# KiCad board Pico Debugger.kicad_pcb (continued)
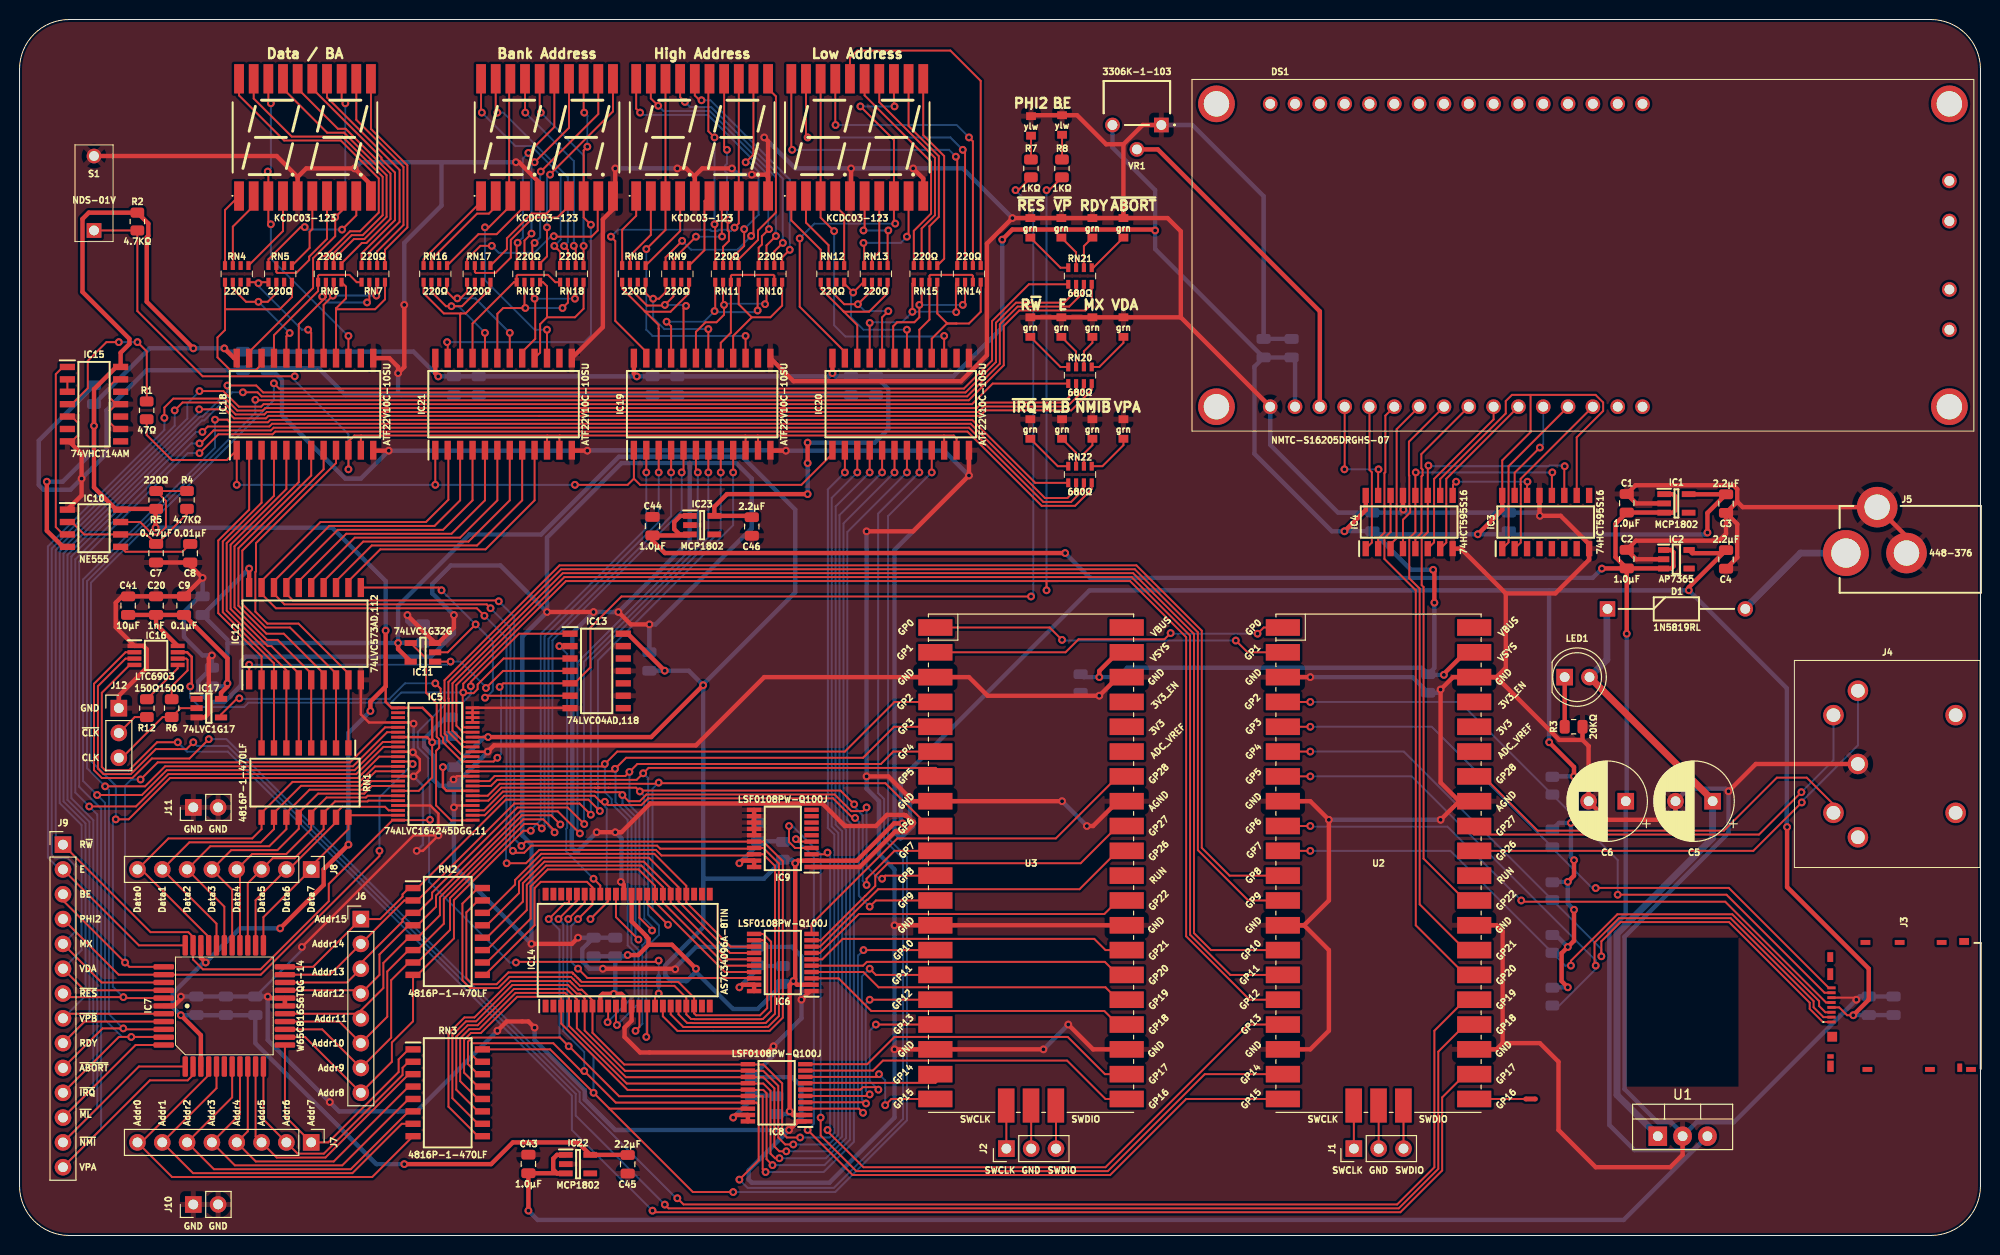
[diagram p0: board, top side]
## Footprints (pads in the part's own frame, mm; a bottom-side part is the same pattern mirrored in y, then rotated) (continued)
SOIC127P1032X265-24N
  rect 1.925x0.65 smd: 1(-4.712,6.985) 2(-4.712,5.715) 3(-4.712,4.445) 4(-4.712,3.175) 5(-4.712,1.905) 6(-4.712,0.635) 7(-4.712,-0.635) 8(-4.712,-1.905) 9(-4.712,-3.175) 10(-4.712,-4.445) 11(-4.712,-5.715) 12(-4.712,-6.985) 13(4.712,-6.985) 14(4.712,-5.715) 15(4.712,-4.445) 16(4.712,-3.175) 17(4.712,-1.905) 18(4.712,-0.635) 19(4.712,0.635) 20(4.712,1.905) 21(4.712,3.175) 22(4.712,4.445) 23(4.712,5.715) 24(4.712,6.985)
SOP50P810X120-48N
  rect 1.425x0.3 smd: 1(-3.812,5.75) 2(-3.812,5.25) 3(-3.812,4.75) 4(-3.812,4.25) 5(-3.812,3.75) 6(-3.812,3.25) 7(-3.812,2.75) 8(-3.812,2.25) 9(-3.812,1.75) 10(-3.812,1.25) 11(-3.812,0.75) 12(-3.812,0.25) 13(-3.812,-0.25) 14(-3.812,-0.75) 15(-3.812,-1.25) 16(-3.812,-1.75) 17(-3.812,-2.25) 18(-3.812,-2.75) 19(-3.812,-3.25) 20(-3.812,-3.75) 21(-3.812,-4.25) 22(-3.812,-4.75) 23(-3.812,-5.25) 24(-3.812,-5.75) 25(3.812,-5.75) 26(3.812,-5.25) 27(3.812,-4.75) 28(3.812,-4.25) 29(3.812,-3.75) 30(3.812,-3.25) 31(3.812,-2.75) 32(3.812,-2.25) 33(3.812,-1.75) 34(3.812,-1.25) 35(3.812,-0.75) 36(3.812,-0.25) 37(3.812,0.25) 38(3.812,0.75) 39(3.812,1.25) 40(3.812,1.75) 41(3.812,2.25) 42(3.812,2.75) 43(3.812,3.25) 44(3.812,3.75) 45(3.812,4.25) 46(3.812,4.75) 47(3.812,5.25) 48(3.812,5.75)
SOP65P490X110-8N
  rect 1.425x0.45 smd: 1(-2.212,0.975) 2(-2.212,0.325) 3(-2.212,-0.325) 4(-2.212,-0.975) 5(2.212,-0.975) 6(2.212,-0.325) 7(2.212,0.325) 8(2.212,0.975)
SOP65P640X110-20N
  rect 1.475x0.45 smd: 1(-2.938,2.925) 2(-2.938,2.275) 3(-2.938,1.625) 4(-2.938,0.975) 5(-2.938,0.325) 6(-2.938,-0.325) 7(-2.938,-0.975) 8(-2.938,-1.625) 9(-2.938,-2.275) 10(-2.938,-2.925) 11(2.938,-2.925) 12(2.938,-2.275) 13(2.938,-1.625) 14(2.938,-0.975) 15(2.938,-0.325) 16(2.938,0.325) 17(2.938,0.975) 18(2.938,1.625) 19(2.938,2.275) 20(2.938,2.925)
SOP80P1176X120-44N
  rect 1.295x0.6 smd: 1(-5.728,8.4) 2(-5.728,7.6) 3(-5.728,6.8) 4(-5.728,6) 5(-5.728,5.2) 6(-5.728,4.4) 7(-5.728,3.6) 8(-5.728,2.8) 9(-5.728,2) 10(-5.728,1.2) 11(-5.728,0.4) 12(-5.728,-0.4) 13(-5.728,-1.2) 14(-5.728,-2) 15(-5.728,-2.8) 16(-5.728,-3.6) 17(-5.728,-4.4) 18(-5.728,-5.2) 19(-5.728,-6) 20(-5.728,-6.8) 21(-5.728,-7.6) 22(-5.728,-8.4) 23(5.728,-8.4) 24(5.728,-7.6) 25(5.728,-6.8) 26(5.728,-6) 27(5.728,-5.2) 28(5.728,-4.4) 29(5.728,-3.6) 30(5.728,-2.8) 31(5.728,-2) 32(5.728,-1.2) 33(5.728,-0.4) 34(5.728,0.4) 35(5.728,1.2) 36(5.728,2) 37(5.728,2.8) 38(5.728,3.6) 39(5.728,4.4) 40(5.728,5.2) 41(5.728,6) 42(5.728,6.8) 43(5.728,7.6) 44(5.728,8.4)
SOT95P270X145-5N
  rect 1.4x0.6 smd: 1(-1.25,0.95) 2(-1.25,0) 3(-1.25,-0.95) 4(1.25,-0.95) 5(1.25,0.95)
SOT95P275X110-5N
  rect 1.25x0.6 smd: 1(-1.25,0.95) 2(-1.25,0) 3(-1.25,-0.95) 4(1.25,-0.95) 5(1.25,0.95)
SOT95P285X130-5N
  rect 1.15x0.6 smd: 1(-1.3,0.95) 2(-1.3,0) 3(-1.3,-0.95) 4(1.3,-0.95) 5(1.3,0.95)
TO-220-3_Vertical
  rect 1.905x2 hole 1: 1(0,0)
  oval 1.905x2 hole 1: 2(2.54,0) 3(5.08,0)
W65C816 PLCC 0.8mm 44 Pin
  rrect 0.55x2.1 smd: 1(0,6.2) 2(-0.8,6.2) 3(-1.6,6.2) 4(-2.4,6.2) 5(-3.2,6.2) 6(-4,6.2) 18(-4,-6.2) 19(-3.2,-6.2) 20(-2.4,-6.2) 21(-1.6,-6.2) 22(-0.8,-6.2) 23(0,-6.2) 24(0.8,-6.2) 25(1.6,-6.2) 26(2.4,-6.2) 27(3.2,-6.2) 28(4,-6.2) 40(4,6.2) 41(3.2,6.2) 42(2.4,6.2) 43(1.6,6.2) 44(0.8,6.2)
  rrect 2.1x0.55 smd: 7(-6.2,4) 8(-6.2,3.2) 9(-6.2,2.4) 10(-6.2,1.6) 11(-6.2,0.8) 12(-6.2,0) 13(-6.2,-0.8) 14(-6.2,-1.6) 15(-6.2,-2.4) 16(-6.2,-3.2) 17(-6.2,-4) 29(6.2,-4) 30(6.2,-3.2) 31(6.2,-2.4) 32(6.2,-1.6) 33(6.2,-0.8) 34(6.2,0) 35(6.2,0.8) 36(6.2,1.6) 37(6.2,2.4) 38(6.2,3.2) 39(6.2,4)

## Nets
/3.3V: C4.1 C9.1 C10.1 C13.1 C15.1 C16.1 C18.1 C19.1 C20.1 C21.1 C25.1 C30.1 C41.1 IC2.5 IC5.31 IC5.42 IC6.2 IC8.2 IC9.2 IC11.5 IC12.20 IC13.14 IC14.8 IC14.11 IC14.33 IC16.8 IC17.5 J3.4 R9.1 R10.1 R11.1 R13.2 R14.2 R15.2 R16.2 R17.2
/5V: C3.1 C11.1 C12.1 C14.1 C17.1 C22.1 C23.1 C24.1 C26.1 C27.1 C28.1 C29.1 C31.1 C32.1 C33.1 C34.1 C35.1 C36.1 C37.1 C42.1 C45.1 C46.1 DS1.2 IC1.5 IC3.10 IC3.16 IC4.10 IC4.16 IC5.1 IC5.7 IC5.18 IC7.9 IC7.37 IC10.4 IC10.8 IC15.14 IC18.24 IC19.24 IC20.24 IC21.24 IC22.5 IC23.5 R2.2 R5.2 U2.39 U3.39 VR1.3
/5V Source: J4.3
/6V Source: C1.1 C2.1 C6.1 C43.1 C44.1 IC1.1 IC1.3 IC2.1 IC2.3 IC22.1 IC22.3 IC23.1 IC23.3 U1.3
/12V Forward: C5.1 D1.1 LED1.2 U1.1
/GND: C1.2 C2.2 C3.2 C4.2 C5.2 C6.2 C7.2 C8.2 C9.2 C10.2 C11.2 C12.2 C13.2 C14.2 C15.2 C16.2 C17.2 C18.2 C19.2 C20.2 C21.2 C22.2 C23.2 C24.2 C25.2 C26.2 C27.2 C28.2 C29.2 C30.2 C31.2 C32.2 C33.2 C34.2 C35.2 C36.2 C37.2 C38.2 C39.2 C40.2 C41.2 C42.2 C43.2 C44.2 C45.2 C46.2 DS1.1 DS2.5 DS2.10 DS3.5 DS3.10 DS4.5 DS4.10 DS5.5 DS5.10 IC1.2 IC2.2 IC3.8 IC3.13 IC4.8 IC4.13 IC5.4 IC5.10 IC5.15 IC5.21 IC5.28 IC5.34 IC5.39 IC5.45 IC5.46 IC5.47 IC5.48 IC6.1 IC7.1 IC7.23 IC7.24 IC8.1 IC9.1 IC9.11 IC9.12 IC9.13 IC9.14 IC9.15 IC10.1 IC11.3 IC12.10 IC13.7 IC13.9 IC13.11 IC13.13 IC14.12 IC14.34 IC15.5 IC15.7 IC15.9 IC15.11 IC15.13 IC16.1 IC17.3 IC18.12 IC18.13 IC19.12 IC19.13 IC20.12 IC20.13 IC21.12 IC21.13 IC22.2 IC23.2 J3.6 J4.2 J5.B1 J5.C1 J10.1 J10.2 J11.1 J11.2 J12.1 LED2.1 LED3.1 LED4.1 LED5.1 LED6.1 LED7.1 LED8.1 LED9.1 LED10.1 LED11.1 LED12.1 LED13.1 LED14.1 LED15.1 R3.1 S1.2 U1.2 U2.3 U2.8 U2.13 U2.18 U2.23 U2.28 U2.33 U2.38 U3.3 U3.8 U3.13 U3.18 U3.23 U3.28 U3.33 U3.38 VR1.1
/300Hz: IC18.1 IC19.1 IC20.1 IC21.1 R1.1
/Addr0: IC8.11 IC14.7 IC20.2 RN3.9
/Addr0_{Pico}: IC8.10 U3.22
/Addr0_{W65}: IC7.10 J7.8 RN3.8
/Addr1: IC8.12 IC14.6 IC20.3 RN3.10
/Addr1_{Pico}: IC8.9 U3.21
/Addr1_{W65}: IC7.11 J7.7 RN3.7
/Addr2: IC8.13 IC14.5 IC20.4 RN3.11
/Addr2_{Pico}: IC8.8 U3.20
/Addr2_{W65}: IC7.13 J7.6 RN3.6
/Addr3: IC8.14 IC14.4 IC20.5 RN3.12
/Addr3_{Pico}: IC8.7 U3.19
/Addr3_{W65}: IC7.14 J7.5 RN3.5
/Addr4: IC8.15 IC14.3 IC20.6 RN3.13
/Addr4_{Pico}: IC8.6 U3.17
/Addr4_{W65}: IC7.15 J7.4 RN3.4
/Addr5: IC8.16 IC14.41 IC20.7 RN3.14
/Addr5_{Pico}: IC8.5 U3.16
/Addr5_{W65}: IC7.16 J7.3 RN3.3
/Addr6: IC8.17 IC14.40 IC20.8 RN3.15
/Addr6_{Pico}: IC8.4 U3.15
/Addr6_{W65}: IC7.17 J7.2 RN3.2
/Addr7: IC8.18 IC14.39 IC20.9 RN3.16
/Addr7_{Pico}: IC8.3 U3.14
/Addr7_{W65}: IC7.18 J7.1 RN3.1
/Addr8: IC6.18 IC14.38 RN2.9
/Addr8_{Pico}: IC6.3 U3.24
/Addr8_{W65}: IC7.19 IC19.2 J6.8 RN2.8
/Addr9: IC6.17 IC14.30 RN2.10
/Addr9_{Pico}: IC6.4 U3.25
/Addr9_{W65}: IC7.20 IC19.3 J6.7 RN2.7
/Addr10: IC6.16 IC14.29 RN2.11
/Addr10_{Pico}: IC6.5 U3.26
/Addr10_{W65}: IC7.21 IC19.4 J6.6 RN2.6
/Addr11: IC6.15 IC14.28 RN2.12
/Addr11_{Pico}: IC6.6 U3.27
/Addr11_{W65}: IC7.22 IC19.5 J6.5 RN2.5
/Addr12: IC6.14 IC14.27 RN2.13
/Addr12_{Pico}: IC6.7 U3.29
/Addr12_{W65}: IC7.25 IC19.6 J6.4 RN2.4
/Addr13: IC6.13 IC14.26 RN2.14
/Addr13_{Pico}: IC6.8 U3.31
/Addr13_{W65}: IC7.26 IC19.7 J6.3 RN2.3
/Addr14: IC6.12 IC14.20 RN2.15
/Addr14_{Pico}: IC6.9 U3.32
/Addr14_{W65}: IC7.27 IC19.8 J6.2 RN2.2
/Addr15: IC6.11 IC14.19 RN2.16
/Addr15_{Pico}: IC6.10 U3.34
/Addr15_{W65}: IC7.28 IC19.9 J6.1 RN2.1
/Addr16: IC9.18 IC12.19 IC14.18 IC21.2
/Addr16_{Pico}: IC9.3 U2.17
/Addr17: IC9.17 IC12.18 IC14.17 IC21.3
/Addr17_{Pico}: IC9.4 U2.19
/Addr18: IC9.16 IC12.17 IC14.16 IC21.4
/Addr18_{Pico}: IC9.5 U2.20
/Addr19: IC12.16 IC21.5
/Addr20: IC12.15 IC21.6
/Addr21: IC12.14 IC21.7
/Addr22: IC12.13 IC21.8
/Addr23: IC12.12 IC21.9
/Bank Address Display/Digit 0 A Seg: IC21.17 RN18.7 RN19.7
/Bank Address Display/Digit 0 B Seg: IC21.16 RN18.8 RN19.8
/Bank Address Display/Digit 0 C Seg: IC21.18 RN16.4 RN17.1
/Bank Address Display/Digit 0 D Seg: IC21.20 RN16.2 RN17.2
/Bank Address Display/Digit 0 E Seg: IC21.22 RN16.1 RN17.4
/Bank Address Display/Digit 0 F Seg: IC21.19 RN18.6 RN19.6
/Bank Address Display/Digit 0 G Seg: IC21.21 RN18.5 RN19.5
/Bank Address Display/Digit L0 Cathode: DS5.3 DS5.18 IC21.15
/Bank Address Display/Digit R0 Cathode: DS5.8 DS5.13 IC21.23
/BE: IC5.44 IC13.3 IC16.7 R8.1 U2.16
/BE_{W65}: IC5.5 IC7.40 J9.3
/Clk: IC16.6 R6.1
/Data0: IC5.36 IC14.9 U3.4
/Data0_{W65}: IC5.13 IC7.36 J8.8 RN1.9
/Data1: IC5.35 IC14.10 U3.5
/Data1_{W65}: IC5.14 IC7.35 J8.7 RN1.10
/Data2: IC5.33 IC14.13 U3.6
/Data2_{W65}: IC5.16 IC7.34 J8.6 RN1.11
/Data3: IC5.32 IC14.14 U3.7
/Data3_{W65}: IC5.17 IC7.33 J8.5 RN1.12
/Data4: IC5.30 IC14.31 U3.9
/Data4_{W65}: IC5.19 IC7.32 J8.4 RN1.13
/Data5: IC5.29 IC14.32 U3.10
/Data5_{W65}: IC5.20 IC7.31 J8.3 RN1.14
/Data6: IC5.27 IC14.35 U3.11
/Data6_{W65}: IC5.22 IC7.30 J8.2 RN1.15
/Data7: IC5.26 IC14.36 U3.12
/Data7_{W65}: IC5.23 IC7.29 J8.1 RN1.16
/Data Display/Digit 0 A Seg: IC18.17 RN6.7 RN7.7
/Data Display/Digit 0 B Seg: IC18.16 RN6.8 RN7.8
/Data Display/Digit 0 C Seg: IC18.18 RN4.4 RN5.1
/Data Display/Digit 0 D Seg: IC18.20 RN4.2 RN5.2
/Data Display/Digit 0 E Seg: IC18.22 RN4.1 RN5.4
/Data Display/Digit 0 F Seg: IC18.19 RN6.6 RN7.6
/Data Display/Digit 0 G Seg: IC18.21 RN6.5 RN7.5
/Data Display/Digit L0 Cathode: DS2.3 DS2.18 IC18.15
/Data Display/Digit R0 Cathode: DS2.8 DS2.13 IC18.23
/E: IC7.39 J9.2 RN20.2
/High Address Display/Digit 0 A Seg: IC19.17 RN10.7 RN11.7
/High Address Display/Digit 0 B Seg: IC19.16 RN10.8 RN11.8
/High Address Display/Digit 0 C Seg: IC19.18 RN8.4 RN9.1
/High Address Display/Digit 0 D Seg: IC19.20 RN8.2 RN9.2
/High Address Display/Digit 0 E Seg: IC19.22 RN8.1 RN9.4
/High Address Display/Digit 0 F Seg: IC19.19 RN10.6 RN11.6
/High Address Display/Digit 0 G Seg: IC19.21 RN10.5 RN11.5
/High Address Display/Digit L0 Cathode: DS3.3 DS3.18 IC19.15
/High Address Display/Digit R0 Cathode: DS3.8 DS3.13 IC19.23
/Keypad CP: J4.4 U2.32
/Keypad PL: J4.1 U2.31
/Keypad Q_{IN}: J4.5 U2.34
/LCD Bit Out: IC4.14 U2.26
/LCD DB0: DS1.7 IC4.3
/LCD DB1: DS1.8 IC4.4
/LCD DB2: DS1.9 IC4.5
/LCD DB3: DS1.10 IC4.6
/LCD DB4: DS1.11 IC4.7
/LCD DB5: DS1.12 IC3.15
/LCD DB6: DS1.13 IC3.1
/LCD DB7: DS1.14 IC3.2
/LCD E: DS1.6 IC4.2
/LCD RS: DS1.4 IC4.15
/LCD R~{W}: DS1.5 IC4.1
/LCD Shift Clock: IC3.11 IC4.11 U2.29
/LCD Store Clock: IC3.12 IC4.12 U2.27
/Low Address Display/Digit 0 A Seg: IC20.17 RN14.7 RN15.7
/Low Address Display/Digit 0 B Seg: IC20.16 RN14.8 RN15.8
/Low Address Display/Digit 0 C Seg: IC20.18 RN12.4 RN13.1
/Low Address Display/Digit 0 D Seg: IC20.20 RN12.2 RN13.2
/Low Address Display/Digit 0 E Seg: IC20.22 RN12.1 RN13.4
/Low Address Display/Digit 0 F Seg: IC20.19 RN14.6 RN15.6
/Low Address Display/Digit 0 G Seg: IC20.21 RN14.5 RN15.5
/Low Address Display/Digit L0 Cathode: DS4.3 DS4.18 IC20.15
/Low Address Display/Digit R0 Cathode: DS4.8 DS4.13 IC20.23
/MX: IC7.42 J9.5 RN20.3
/PHI2: IC5.37 IC13.5 IC17.4 R7.1
/PHI2_{W65}: IC5.12 IC7.41 J9.4
/Q7S: IC3.14 IC4.9
/RDY: IC7.3 J9.9 RN21.3
/R~{W}: IC5.24 IC7.38 IC13.1 J9.1 NT1.1 RN20.1
/SD Clk: J3.5 U2.9
/SD Cmd: J3.3 R15.1 U2.10
/SD Dat0: J3.7 R14.1 U2.4
/SD Dat1: J3.8 R13.1 U2.5
/SD Dat2: J3.1 R17.1 U2.6
/SD Dat3: J3.2 R16.1 U2.7
/SPI_{0} CS: IC16.4 U2.22
/SPI_{0} RX: NT2.1 U2.21
/SPI_{0} SCK: IC16.3 U2.24
/SPI_{0} TX: IC16.2 U2.25
/Tame Clk: IC17.2 J12.3 R6.2
/Tame Data0: IC12.2 IC18.2 RN1.8
/Tame Data1: IC12.3 IC18.3 RN1.7
/Tame Data2: IC12.4 IC18.4 RN1.6
/Tame Data3: IC12.5 IC18.5 RN1.5
/Tame Data4: IC12.6 IC18.6 RN1.4
/Tame Data5: IC12.7 IC18.7 RN1.3
/Tame Data6: IC12.8 IC18.8 RN1.2
/Tame Data7: IC12.9 IC18.9 RN1.1
/UART 1: U2.1 U3.2
/UART 2: U2.2 U3.1
/V_{0}: DS1.3 VR1.2
/VDA: IC7.43 J9.6 RN20.4
/VPA: IC7.8 J9.14 RN22.4
/~{ABORT}: IC5.43 U2.15
/~{ABORT}_{W65}: IC5.6 IC7.4 J9.10 RN21.4
/~{BE}: IC11.1 IC12.1 IC13.4
/~{BE}+~{PHI2}: IC5.25 IC11.4
/~{IRQ}: IC5.41 U2.14
/~{IRQ}_{W65}: IC5.8 IC7.5 J9.11 RN22.1
/~{LED Enable}: IC18.10 IC18.11 IC19.10 IC19.11 IC20.10 IC20.11 IC21.10 IC21.11 R2.1 S1.1
/~{ML}: IC7.6 J9.12 RN22.2
/~{NMI}: IC5.40 U2.12
/~{NMI}_{W65}: IC5.9 IC7.7 J9.13 RN22.3
/~{OE}: IC13.2 IC14.37
/~{PHI2}: IC11.2 IC12.11 IC13.6
/~{RES}: IC5.38 U2.11
/~{RES}_{W65}: IC5.11 IC7.44 J9.7 RN21.1
/~{VP}: IC7.2 J9.8 RN21.2
/~{WE}: IC14.15 NT1.2
Net-(C7-Pad1): C7.1 IC10.2 IC10.6 R4.1
Net-(C8-Pad1): C8.1 IC10.5
Net-(C38-Pad1): C38.1 IC6.19 IC6.20 R9.2
Net-(C39-Pad1): C39.1 IC8.19 IC8.20 R10.2
Net-(C40-Pad1): C40.1 IC9.19 IC9.20 R11.2
Net-(D1-Pad2): D1.2 J5.A1
Net-(DS2-Pad1): DS2.1 RN4.8
Net-(DS2-Pad2): DS2.2 RN4.7
Net-(DS2-Pad4): DS2.4 RN4.5
Net-(DS2-Pad6): DS2.6 RN5.5
Net-(DS2-Pad7): DS2.7 RN5.7
Net-(DS2-Pad9): DS2.9 RN5.8
Net-(DS2-Pad11): DS2.11 RN7.1
Net-(DS2-Pad12): DS2.12 RN7.2
Net-(DS2-Pad14): DS2.14 RN7.3
Net-(DS2-Pad15): DS2.15 RN7.4
Net-(DS2-Pad16): DS2.16 RN6.1
Net-(DS2-Pad17): DS2.17 RN6.2
Net-(DS2-Pad19): DS2.19 RN6.3
Net-(DS2-Pad20): DS2.20 RN6.4
Net-(DS3-Pad1): DS3.1 RN8.8
Net-(DS3-Pad2): DS3.2 RN8.7
Net-(DS3-Pad4): DS3.4 RN8.5
Net-(DS3-Pad6): DS3.6 RN9.5
Net-(DS3-Pad7): DS3.7 RN9.7
Net-(DS3-Pad9): DS3.9 RN9.8
Net-(DS3-Pad11): DS3.11 RN11.1
Net-(DS3-Pad12): DS3.12 RN11.2
Net-(DS3-Pad14): DS3.14 RN11.3
Net-(DS3-Pad15): DS3.15 RN11.4
Net-(DS3-Pad16): DS3.16 RN10.1
Net-(DS3-Pad17): DS3.17 RN10.2
Net-(DS3-Pad19): DS3.19 RN10.3
Net-(DS3-Pad20): DS3.20 RN10.4
Net-(DS4-Pad1): DS4.1 RN12.8
Net-(DS4-Pad2): DS4.2 RN12.7
Net-(DS4-Pad4): DS4.4 RN12.5
Net-(DS4-Pad6): DS4.6 RN13.5
Net-(DS4-Pad7): DS4.7 RN13.7
Net-(DS4-Pad9): DS4.9 RN13.8
Net-(DS4-Pad11): DS4.11 RN15.1
Net-(DS4-Pad12): DS4.12 RN15.2
Net-(DS4-Pad14): DS4.14 RN15.3
Net-(DS4-Pad15): DS4.15 RN15.4
Net-(DS4-Pad16): DS4.16 RN14.1
Net-(DS4-Pad17): DS4.17 RN14.2
Net-(DS4-Pad19): DS4.19 RN14.3
Net-(DS4-Pad20): DS4.20 RN14.4
Net-(DS5-Pad1): DS5.1 RN16.8
Net-(DS5-Pad2): DS5.2 RN16.7
Net-(DS5-Pad4): DS5.4 RN16.5
Net-(DS5-Pad6): DS5.6 RN17.5
Net-(DS5-Pad7): DS5.7 RN17.7
Net-(DS5-Pad9): DS5.9 RN17.8
Net-(DS5-Pad11): DS5.11 RN19.1
Net-(DS5-Pad12): DS5.12 RN19.2
Net-(DS5-Pad14): DS5.14 RN19.3
Net-(DS5-Pad15): DS5.15 RN19.4
Net-(DS5-Pad16): DS5.16 RN18.1
Net-(DS5-Pad17): DS5.17 RN18.2
Net-(DS5-Pad19): DS5.19 RN18.3
Net-(DS5-Pad20): DS5.20 RN18.4
Net-(IC10-Pad3): IC10.3 IC15.1
Net-(IC10-Pad7): IC10.7 R4.2 R5.1
Net-(IC15-Pad2): IC15.2 IC15.3
Net-(IC15-Pad4): IC15.4 R1.2
Net-(IC16-Pad5): IC16.5 R12.1
Net-(J1-Pad1): J1.1 U2.41
Net-(J1-Pad2): J1.2 U2.42
Net-(J1-Pad3): J1.3 U2.43
Net-(J2-Pad1): J2.1 U3.41
Net-(J2-Pad2): J2.2 U3.42
Net-(J2-Pad3): J2.3 U3.43
Net-(J12-Pad2): J12.2 R12.2
Net-(LED1-Pad1): LED1.1 R3.2
Net-(LED2-Pad2): LED2.2 R7.2
Net-(LED3-Pad2): LED3.2 R8.2
Net-(LED4-Pad2): LED4.2 RN20.8
Net-(LED5-Pad2): LED5.2 RN20.7
Net-(LED6-Pad2): LED6.2 RN20.6
Net-(LED7-Pad2): LED7.2 RN20.5
Net-(LED8-Pad2): LED8.2 RN21.8
Net-(LED9-Pad2): LED9.2 RN21.7
Net-(LED10-Pad2): LED10.2 RN21.6
Net-(LED11-Pad2): LED11.2 RN21.5
Net-(LED12-Pad2): LED12.2 RN22.8
Net-(LED13-Pad2): LED13.2 RN22.7
Net-(LED14-Pad2): LED14.2 RN22.6
Net-(LED15-Pad2): LED15.2 RN22.5

Pads without a net: DS1 15 16 17 18 19 20 21 22 23 24 25 26 27 28 29 30 31 32 A1 A2 K1 K2 MH1 MH2 MH3 MH4; IC1 4; IC2 4; IC3 3 4 5 6 7 9; IC5 2 3; IC7 12; IC9 6 7 8 9 10; IC13 8 10 12; IC14 1 2 21 22 23 24 25 42 43 44; IC15 6 8 10 12; IC17 1; IC18 14; IC19 14; IC20 14; IC21 14; IC22 4; IC23 4; J3 9 10 11 12 13 14 15 16 17 18 19 20 21; J4 6 7; NT2 2; RN4 3 6; RN5 3 6; RN8 3 6; RN9 3 6; RN12 3 6; RN13 3 6; RN16 3 6; RN17 3 6; U2 30 35 36 37 40; U3 30 35 36 37 40

## Via types
v1: diameter 0.8, hole 0.4, Top to Bottom, 402 vias

## Routing (per net, layer and track width the routed paths; a pad name or vN(x,y) marks a point on that pad's centre or on a via; arc(x,y) is an arc through that point)
/3.3V: length 526.7
  Top w0.2: J3.4 186.2,23.35 187.01,22.54 v1(187.64,22.54)
  Top w0.25: IC5.31 43.71,45.51 43.32,45.89 v1(43.32,47.94) ; IC5.42 47.94,51.01 v1(47.94,51.02)
  Top w0.45: IC14.11 61.83,24.48 61.58,24.73 59.68,24.73 59.43,24.48 IC14.8 ; IC14.33 62.63,32.15 64.15,30.63 64.15,30.58 64.36,30.37 64.36,29.76 ; v1(23.5,68.26) 23.5,66.32 ; IC11.5 38.73,60.03 v1(38.73,60.64) ; 64.36,29.76 63.31,28.7 v1(62.23,28.7) ; 64.36,29.76 66.76,29.76 v1(69.22,27.31) ; v1(159.07,38.42) 159.07,36.83 v1(158.43,36.2) ; v1(158.43,25.4) 157.8,26.04 157.8,28.89 v1(158.43,29.53) 159.07,30.16 v1(159.07,33.34) ; v1(79.19,26.04) 78.8,25.65 v1(78.8,12.7) 79.17,12.33 IC8.2 ; v1(79.19,26.04) 79.38,26.22 v1(79.38,38.1) 79.64,38.37 IC9.2 85.67,38.37 89.48,42.18 v1(90.36,42.18) ; v1(79.19,26.04) 79.56,25.67 IC6.2 ; IC17.5 20.62,55.54 21.27,56.2 v1(21.27,56.52) 21.27,59.07 C9.1 C20.1 ; v1(187.64,22.54) 189.23,24.13 189.23,27.31 180.87,35.66 v1(180.87,41.81) ; IC16.8 13.97,62.56 C20.1 ; 174.61,70.17 174.28,69.84 171.17,69.84 IC2.5 ; C20.1 C41.1 ; v1(69.96,56.33) 64.65,51.02 v1(47.94,51.02) ; 62.23,61.6 v1(66.02,57.8) ; v1(158.75,42.23) 159.07,42.55 v1(159.07,46.99) 159.07,47.94 v1(156.53,50.48) ; C4.1 170.81,66.34 v1(170.81,66.04)
  Bottom w0.45: 69.22,26.99 v1(69.22,27.31) ; 69.22,26.99 68.26,26.04 66.67,26.04 66.08,26.63 66.08,27.66 69.96,31.54 69.96,36.72 ; 69.22,26.99 73.03,23.18 75.53,23.18 R9.1 78.91,25.76 v1(79.19,26.04) ; C19.1 v1(66.02,57.8) 68.48,57.8 v1(69.96,56.33) ; 156.51,66.03 170.8,66.03 v1(170.81,66.04) 180.85,56.01 180.85,41.83 v1(180.87,41.81) ; 156.51,66.03 156.51,50.5 v1(156.53,50.48) ; 156.51,66.03 109.49,66.03 90.18,46.72 90.18,42.35 v1(90.36,42.18) ; 19.69,56.22 20.97,56.22 v1(21.27,56.52) 21.27,60.64 v1(38.73,60.64) ; v1(79.38,38.1) 79.02,38.46 R11.1 76.17,36.51 70.17,36.51 69.96,36.72 ; v1(159.07,38.42) 158.75,38.74 v1(158.75,42.23) 157.53,42.23 R13.2 ; 156.89,46.99 v1(159.07,46.99) ; v1(69.96,56.33) 69.96,56.41 79.38,65.83 79.38,74.3 73.96,79.71 61.33,79.71 53.37,71.76 46.04,71.76 38.73,64.45 v1(38.73,60.64) ; v1(69.96,56.33) 69.96,36.72 ; C18.1 62.11,28.58 v1(62.23,28.7) ; C18.1 C10.1 ; C18.1 60.96,24.88 v1(60.8,24.73) ; 156.89,36.2 v1(158.43,36.2) 158.43,33.97 v1(159.07,33.34) ; v1(23.5,68.26) 18.75,63.52 ; v1(38.73,60.64) 38.75,60.66 C16.1 ; R10.1 78.53,12.42 v1(78.8,12.7) ; v1(187.64,22.54) 187.66,22.56 C15.1 C13.1 ; 21.27,60.98 C30.1 ; v1(47.94,51.02) 47.54,51.02 C21.1 43.34,47.92 v1(43.32,47.94) ; v1(158.43,29.53) 157.2,30.76 ; 156.89,25.4 v1(158.43,25.4)
/5V: length 639.4
  Top w0.2: IC5.18 40.85,45.51 42.22,46.89 v1(42.22,50.48) ; IC4.10 145.38,77.43 152.08,84.14 152.08,85.41 152.72,86.04 161.27,86.04 162.05,85.26 162.05,84.4 159.35,81.69 IC3.10 ; 154.62,86.04 154.62,82.23 151.73,79.34 IC3.16
  Top w0.25: IC5.7 41.7,51.01 v1(42.22,50.48) 42.22,53.03 41.24,54.01 IC5.1 38.71,53.98 38.09,53.98 37.47,54.61 37.47,56.2
  Top w0.45: v1(116.2,102.87) 116.11,102.96 101.59,102.96 v1(100.56,101.93) ; v1(144.65,68.13) 144.78,68 v1(144.78,64.77) ; v1(149.23,71.77) 151.73,74.27 IC3.16 ; v1(172.72,71.94) 172.72,73.96 C3.1 170.81,75.86 ; v1(80.64,79.06) v1(80.64,81.15) ; 13.92,74.32 v1(13.92,72.44) ; v1(135.58,72.08) 137.75,74.26 IC4.16 ; v1(20.95,90.81) 21.96,89.8 IC18.24 ; U2.39 145.75,57.49 v1(145.75,57.38) ; v1(17.78,90.81) 13.02,95.57 13.02,102.17 13.18,102.33 13.18,103.57 R2.2 7.09,104.7 6.44,104.05 6.44,96.58 11.24,91.78 11.24,91.25 10.34,90.36 IC15.14 ; v1(35.9,53.68) 35.9,54.64 37.47,56.2 v1(37.47,61.91) ; v1(39.37,7.3) 48.26,7.3 50.48,9.53 57.13,9.53 IC22.5 62.21,8.25 ; IC19.24 62.86,88.23 v1(63.16,87.93) ; 9.89,74.3 7.62,76.57 v1(7.62,82.87) 7.62,86.63 9.89,88.9 ; v1(16.51,22.54) 18.55,20.5 IC7.9 ; IC7.37 18.55,28.44 v1(19.05,27.94) ; IC21.24 42.55,88.27 42.84,87.97 v1(42.84,87.93) ; IC20.24 v1(83.19,88.27) ; v1(26.67,31.43) 31.12,35.88 31.12,37.47 v1(33.66,40.01) ; 74.79,73.66 IC23.5 71.1,74.59 72.39,75.88 v1(80.64,75.88) ; U3.39 110.49,57.79 v1(110.49,57.15) ; v1(2.79,77.15) 2.79,72.14 4.45,70.49 ; R5.2 10.42,74.38
  Bottom w0.45: C26.1 142.39,68.13 v1(144.65,68.13) ; C26.1 135.59,72.09 v1(135.58,72.08) 134.3,72.08 126.36,80.01 126.36,88.93 C27.1 ; C26.1 138.75,71.77 v1(149.23,71.77) 152.08,71.77 C17.1 152.74,71.76 172.53,71.76 v1(172.72,71.94) ; v1(37.47,61.91) 37.47,66.99 32.02,72.44 v1(13.92,72.44) ; C31.1 C29.1 83.52,87.93 v1(83.19,88.27) 82.85,87.93 C37.1 C36.1 v1(63.16,87.93) C33.1 C32.1 v1(42.84,87.93) 40.3,90.47 C35.1 C34.1 21.29,90.47 v1(20.95,90.81) v1(17.78,90.81) 13.32,90.81 C24.1 v1(7.62,82.87) 7.62,80.36 4.41,77.15 v1(2.79,77.15) ; C31.1 95.55,87.93 100.56,92.94 v1(100.56,101.93) ; C31.1 88.9,86.66 88.9,82.55 87.5,81.15 v1(80.64,81.15) ; v1(80.64,75.88) v1(80.64,79.06) ; v1(39.37,7.3) 36.51,7.3 24.13,19.69 C14.1 ; v1(35.9,53.68) 33.66,51.44 v1(33.66,40.01) ; v1(26.67,31.43) 22.54,31.43 v1(19.05,27.94) 18.84,27.94 15.69,24.79 15.69,23.37 v1(16.51,22.54) 18.08,22.54 ; C23.1 43.48,50.48 v1(42.22,50.48) ; 144.21,57.38 v1(145.75,57.38) ; v1(144.78,64.77) 144.78,58.08 C11.1 143.49,58.1 113.35,58.1 112.39,57.15 v1(110.49,57.15) 108.88,57.15 C12.1 ; C27.1 116.2,100.97 v1(116.2,102.87) 116.2,107 111.84,111.36 VR1.3 ; C27.1 C28.1 130.52,89.53 DS1.2 ; 24.11,22.54 18.12,22.54
/6V Source: length 337.8
  Top w0.45: IC22.3 55,6.35 54.61,6.74 54.61,7.86 55,8.25 IC22.1 ; IC2.3 169.02,68.27 169.24,68.49 169.24,69.94 169.02,70.17 IC2.1 ; 55.88,6.37 C43.1 v1(52.07,2.54) ; C2.1 163.32,69.43 163.32,72.85 C1.1 168.28,74 ; C2.1 v1(164.46,61.6) ; C2.1 168.23,68.28 ; C2.1 161.94,68.28 v1(161.93,68.26) ; IC23.1 67.62,73.66 66.99,73.03 66.99,72.3 67.54,71.76 IC23.3 68.5,71.65 C44.1 64.77,71.12 66.04,69.85 v1(107,69.85) ; IC1.3 169.19,73.98 169.42,74.21 169.42,75.65 169.19,75.88 IC1.1
  Bottom w0.45: v1(107,69.85) 109.54,67.31 160.97,67.31 v1(161.93,68.26) ; C6.1 164.36,32.89 162.69,31.21 162.69,11.3 165.25,8.74 171.3,8.74 U1.3 164.15,1.59 53.02,1.59 v1(52.07,2.54) ; v1(164.46,61.6) 164.46,44.55
/12V Forward: length 65.6
  Top w0.7: LED1.2 173.25,44.55
  Bottom w0.7: 162.43,64.13 162.43,58.93 LED1.2 ; C5.1 173.25,40.68 163.47,30.89 163.47,14.38 167.64,10.21
/GND: length 1814.2
  Top w0.2: v1(187.96,24.13) 187.75,24.35 J3.6 ; 9.89,82.55 9.27,83.17 9.27,84.44 9.92,85.09 ; 5.34,83.82 5.97,83.2 5.97,81.9 5.34,81.28 ; 9.89,85.09 9.27,85.71 9.27,87.01 9.89,87.63
  Top w0.25: IC12.10 34.92,53.34 35.75,52.51 IC5.4 40.2,52.51 v1(40.32,52.39) ; v1(44.41,46.67) 44.75,47.01 IC5.34 ; v1(42.86,40.96) 42.86,43.18 42.03,44.01 IC5.21 ; v1(42.86,40.96) 40.32,40.96 v1(28.89,29.53) ; v1(42.86,40.96) 41.28,39.37 v1(40.64,39.37) ; v1(44.45,43.82) 44.64,44.01 IC5.28 ; v1(47.91,49.53) 47.89,49.51 IC5.39 ; IC5.45 IC5.46 IC5.47 IC5.48 56.3,54.01 ; IC5.10 40.2,49.51 v1(40.25,49.46) 40.96,48.75 40.96,47.63 v1(40.32,46.99) 40.3,47.01 IC5.15
  Top w0.45: v1(60.96,109.22) 60.96,106.63 ; C3.2 174.62,71.83 173.92,71.12 165.4,71.12 C2.2 165.43,69.22 IC2.2 ; C3.2 175.77,75.11 ; C3.2 175.77,72.81 175.77,69.4 C4.2 ; 80.89,25.02 v1(80.01,24.13) ; 175.77,75.11 176.34,74.55 J5.B1 193.09,71.55 ; 175.77,75.11 175.77,76.39 175.38,76.79 165.36,76.79 C1.2 165.43,74.93 IC1.2 ; v1(107.32,21.59) 109.86,19.05 U3.23 ; 152.08,65.72 152.08,58.1 151.13,57.15 ; 152.08,65.72 157.16,65.72 160.62,69.18 160.62,70.3 ; 152.08,65.72 147.5,70.3 146.64,70.3 ; IC17.3 18.94,53.03 19.37,53.45 19.37,59.06 v1(19.69,59.37) ; 147.32,44.45 145.42,46.36 v1(145.42,55.88) 146.69,57.15 151.13,57.15 ; 147.32,44.45 v1(145.42,42.55) ; 147.32,44.45 147.95,44.45 ; 94.61,57.15 97.15,57.15 99.06,55.25 v1(110.49,55.25) 112.39,57.15 ; v1(86.68,46.99) 88.9,46.99 v1(91.12,44.77) 91.44,44.45 v1(106.68,44.45) ; IC9.11 IC9.12 IC9.13 IC9.14 IC9.15 ; VR1.1 114.93,113.67 112.96,111.69 ; v1(59.69,27.31) 67.04,27.31 v1(67.09,27.25) ; v1(58.1,80.33) 56.57,80.33 ; 118.83,93.98 118.83,102.79 117.48,104.14 LED11.1 ; 118.83,93.98 LED7.1 LED6.1 LED5.1 LED4.1 ; 118.83,93.98 DS1.1 ; DS3.5 69.1,108.35 ; 69.1,108.35 69.1,108.47 69.85,109.22 v1(72.9,109.22) ; 69.1,108.35 68.22,109.22 v1(67.31,109.22) ; U2.18 132.08,19.05 133.99,20.96 133.99,29.21 131.44,31.75 ; J4.2 177.67,48.26 v1(174.88,45.47) ; v1(50.8,109.86) 51.11,109.86 53.22,107.74 DS5.5 ; v1(57.15,30.48) 56.52,29.85 v1(52.39,29.85) ; U2.28 151.13,31.75 151.76,31.12 151.76,19.69 ; 131.44,31.75 130.81,31.75 ; 131.44,31.75 U2.13 ; 131.44,31.75 133.99,34.29 v1(133.99,42.55) 132.08,44.45 130.18,44.45 ; J12.1 10.16,55.25 13.02,58.1 13.02,60.01 12.68,60.35 IC16.1 9.84,62.26 9.84,64.77 10.49,65.42 C41.2 C20.2 C9.2 18.72,67.31 v1(18.73,67.31) 17.46,68.58 C8.2 C7.2 ; 151.76,19.69 151.13,19.05 U2.23 ; 151.76,19.69 155.57,19.69 157.48,17.78 157.48,10.8 161.29,6.99 168.91,6.99 170.18,8.26 U1.2 ; v1(109.22,41.91) 109.86,41.91 112.39,44.45 ; v1(89.54,31.75) U3.13 U3.28 ; DS5.10 60.72,105.05 59.69,104.01 59.69,92.98 IC21.13 ; 112.96,111.69 111.2,111.69 108.22,114.67 LED3.1 103.6,114.67 ; 112.96,111.69 LED11.1 ; 159.94,50.72 157.56,50.72 151.13,57.15 ; 159.94,50.72 160.56,50.1 C6.2 162.47,42.55 168.73,42.55 169.45,43.27 C5.2 ; 159.94,50.72 R3.1 ; v1(59.05,41.28) v1(60.96,41.28) 61.59,41.28 64.53,44.21 82.15,44.21 84.46,41.91 87.63,41.91 88.77,43.05 90.51,43.05 90.56,43 90.7,43 91.18,42.52 91.18,42.38 91.32,42.24 v1(91.36,42.24) 91.36,42.01 90.7,41.35 89.61,41.35 85.97,37.72 IC9.1 ; v1(104.77,19.05) U3.18 v1(89.54,19.05) ; 151.13,57.15 149.76,57.15 ; IC19.13 79.2,87.44 96.33,87.44 98.99,90.1 98.99,101.53 v1(101.6,104.14) LED8.1 LED9.1 LED10.1 LED11.1 ; v1(85.09,109.22) 85.09,106.51 ; 5.08,81.28 6.35,80.01 v1(6.35,77.47) 6.35,75.75 IC10.1 ; v1(25.4,24.45) 25.55,24.3 IC7.24 IC7.23 ; v1(44.45,63.5) 44.45,62.23 42.86,60.64 ; v1(74.93,108.59) 76.36,108.59 76.6,108.35 DS3.10 76.6,112 v1(76.2,112.4) ; v1(37.78,80.33) 36.25,80.33 ; v1(39.37,95.25) 39.37,88.9 v1(38.73,88.27) 38.73,88.9 37.83,89.8 IC18.13 ; v1(77.15,19.37) 76.52,18.73 63.5,18.73 61.91,20.32 61.91,21.27 62.63,21.99 IC14.12 ; IC3.13 155.54,73.7 v1(155.57,73.66) 157.7,73.66 160.62,70.75 ; v1(141.61,74.3) 141.56,74.34 IC4.13 ; v1(132.08,57.15) 130.18,57.15 ; v1(64.45,62.55) 62.55,62.55 v1(61.28,63.82) ; v1(58.74,63.82) v1(53.97,63.82) ; 14.76,23.5 15.8,23.5 16.51,24.21 v1(16.51,24.45) ; 97.15,80.01 v1(97.15,77.79) 91.44,72.07 v1(86.68,72.07) ; 7.62,110.49 26.31,110.49 28.46,108.35 ; IC11.3 39.69,63.48 v1(39.69,63.5) ; 92.81,57.15 76.2,57.15 69.22,50.17 48.54,50.17 v1(47.91,49.53) ; v1(78.74,10.8) 79.62,11.68 IC8.1 ; v1(61.53,36.2) 61.83,35.9 IC14.34 ; v1(91.44,109.22) 92.48,108.19 DS4.10 ; DS2.5 28.46,108.35 ; 28.46,108.35 29.33,109.22 v1(34.29,109.22) 35.96,107.55 ; v1(78.42,80.33) 76.89,80.33 ; v1(48.89,20.96) 49.85,21.91 52.07,21.91 v1(52.7,21.27)
  Bottom w0.25: v1(44.41,46.67) 44.41,43.85 v1(44.45,43.82) 44.45,42.55 v1(42.86,40.96) ; v1(40.32,46.99) 41.28,46.04 41.28,40.01 v1(40.64,39.37) ; 24.14,24.46 28.89,29.21 v1(28.89,29.53) ; v1(40.32,52.39) 40.32,49.53 v1(40.25,49.46)
  Bottom w0.45: v1(50.8,109.86) 43.18,109.86 ; 43.18,109.86 34.92,109.86 v1(34.29,109.22) ; 43.18,109.86 43.18,105.41 39.37,101.6 v1(39.37,95.25) ; 68.58,79.06 61.59,79.06 53.97,71.44 v1(53.97,63.82) ; 68.58,79.06 73.34,79.06 74.93,77.47 74.93,72.39 65.09,62.55 v1(64.45,62.55) C19.2 ; 68.58,79.06 68.58,71.12 v1(61.28,63.82) v1(58.74,63.82) 56.56,61.64 56.56,41.53 56.52,41.49 56.52,39.69 56.83,39.37 57.15,39.37 v1(59.05,41.28) ; v1(16.51,24.45) 16.52,24.46 25.39,24.46 v1(25.4,24.45) 25.4,20 v1(31.75,13.65) 32.7,12.7 40.64,12.7 v1(48.89,20.96) ; C13.2 C15.2 188.29,24.46 v1(187.96,24.13) 175.41,11.58 171.6,11.58 U1.2 ; C28.2 C27.2 127.3,106.38 120.02,113.67 VR1.1 ; C16.2 39.99,62.56 39.69,62.87 v1(39.69,63.5) ; v1(57.15,30.48) C10.2 ; C10.2 57.59,29.33 57.59,28.05 58.33,27.31 v1(59.69,27.31) ; C10.2 C18.2 ; 25.6,88.77 30.61,88.77 33.35,86.03 39.07,86.03 ; v1(74.93,108.59) 73.54,108.59 v1(72.9,109.22) ; v1(47.91,49.53) 47.91,49.48 C21.2 ; v1(78.74,10.8) 74.61,6.67 74.61,5.72 74.93,5.4 82.87,5.4 89.54,12.07 v1(89.54,19.05) v1(89.54,31.75) 89.54,37.47 87.95,39.05 87.95,44.45 86.68,45.72 v1(86.68,46.99) v1(86.68,72.07) ; v1(78.74,10.8) 60.96,10.8 57.84,13.92 57.84,14.87 52.7,20.01 v1(52.7,21.27) ; v1(78.74,10.8) 80.01,12.07 80.01,15.24 79.04,16.21 C39.2 77.15,18.43 v1(77.15,19.37) 80.01,22.23 v1(80.01,24.13) 80.01,28.58 79.04,29.54 C38.2 69.23,29.54 67.09,27.41 v1(67.09,27.25) ; C23.2 43.61,53.04 41.4,50.82 41.4,50.04 42.36,49.08 42.36,46.65 42.98,46.02 C21.2 ; v1(145.42,42.55) v1(133.99,42.55) ; v1(76.2,112.4) 79.38,109.22 v1(85.09,109.22) v1(91.44,109.22) 96.52,109.22 v1(101.6,104.14) ; v1(145.42,55.88) 145.08,55.55 C11.2 142.54,57.15 v1(132.08,57.15) ; v1(67.31,109.22) v1(60.96,109.22) ; C31.2 C29.2 C37.2 C36.2 C33.2 C32.2 39.07,86.03 ; v1(110.49,55.25) 108.89,55.25 C12.2 ; C21.2 44.45,37.78 v1(52.39,29.85) 52.39,40.01 51.44,40.96 51.44,61.28 v1(53.97,63.82) ; C5.2 170.73,45.72 174.62,45.72 v1(174.88,45.47) 174.88,41.21 164.24,30.57 164.24,14.98 167.64,11.58 169.02,11.58 170.18,10.42 ; v1(53.97,63.82) 49.21,68.58 44.13,68.58 42.23,66.68 42.23,65.72 v1(44.45,63.5) 44.45,61.6 42.1,59.24 23.15,59.24 22.67,58.76 22.67,56.33 20.95,54.61 19.42,54.61 18.29,55.74 18.29,56.72 C25.2 v1(19.69,59.37) 18.73,59.37 16.83,61.28 16.83,63.82 18.43,65.42 ; v1(91.12,44.77) 91.12,42.58 91.18,42.52 91.18,42.41 v1(91.36,42.24) 91.36,41.83 90.17,40.64 89.54,41.28 89.54,70.17 v1(97.15,77.79) 94.61,80.33 v1(78.42,80.33) 78.39,80.36 58.13,80.36 v1(58.1,80.33) v1(37.78,80.33) 34.92,77.47 33.34,77.47 26.85,83.96 26.85,87.57 25.85,88.57 ; v1(109.22,41.91) v1(106.68,44.45) ; v1(104.77,19.05) v1(107.32,21.59) ; C24.2 1.97,81.36 1.97,76.81 2.45,76.33 5.21,76.33 v1(6.35,77.47) 8.89,80.01 8.89,84.46 13,88.57 C34.2 C35.2 ; 39.07,86.03 38.73,86.36 v1(38.73,88.27) ; v1(155.57,73.66) 155.24,73.99 C17.2 141.91,73.99 v1(141.61,74.3) 141.3,73.99 C26.2 134.92,73.99 127.98,80.94 DS1.1 ; C30.2 v1(18.73,67.31) ; v1(60.96,41.28) 61.59,40.64 61.59,36.26 v1(61.53,36.2)
/300Hz: length 85.1
  Top w0.2: R1.1 13.01,81.94 15.57,79.38 21.22,79.38 IC18.1 v1(22.23,76.84) ; 62.86,77.47 62.23,76.84 v1(56.83,76.84) ; 62.86,77.47 IC19.1 ; 62.86,77.47 63.5,76.84 80.01,76.84 83.19,80.01 ; IC21.1 v1(42.55,76.84)
  Bottom w0.2: v1(56.83,76.84) v1(42.55,76.84) v1(22.23,76.84)
/Addr0: length 136.1
  Top w0.2: 46.91,10.16 43.89,13.18 43.89,20.68 45.53,22.32 46.55,22.32 50.27,26.03 56.3,26.04 56.31,26.03 56.31,26.03 56.55,25.79 57.19,25.15 57.54,25.15 58.63,24.06 IC14.7 58.63,20.75 61.88,17.5 76.1,17.5 78.04,15.56 78.04,10.51 78.52,10.03 v1(79.88,10.03) ; IC20.2 v1(84.45,78.11)
  Bottom w0.2: v1(79.88,10.03) 82.9,10.03 83.38,10.51 83.38,41.04 82.71,41.71 82.71,76.36 v1(84.45,78.11)
